# EAGLE board Mk4 Final Panel (EAGLE 9.0.1), part 13 of 18 (continued)
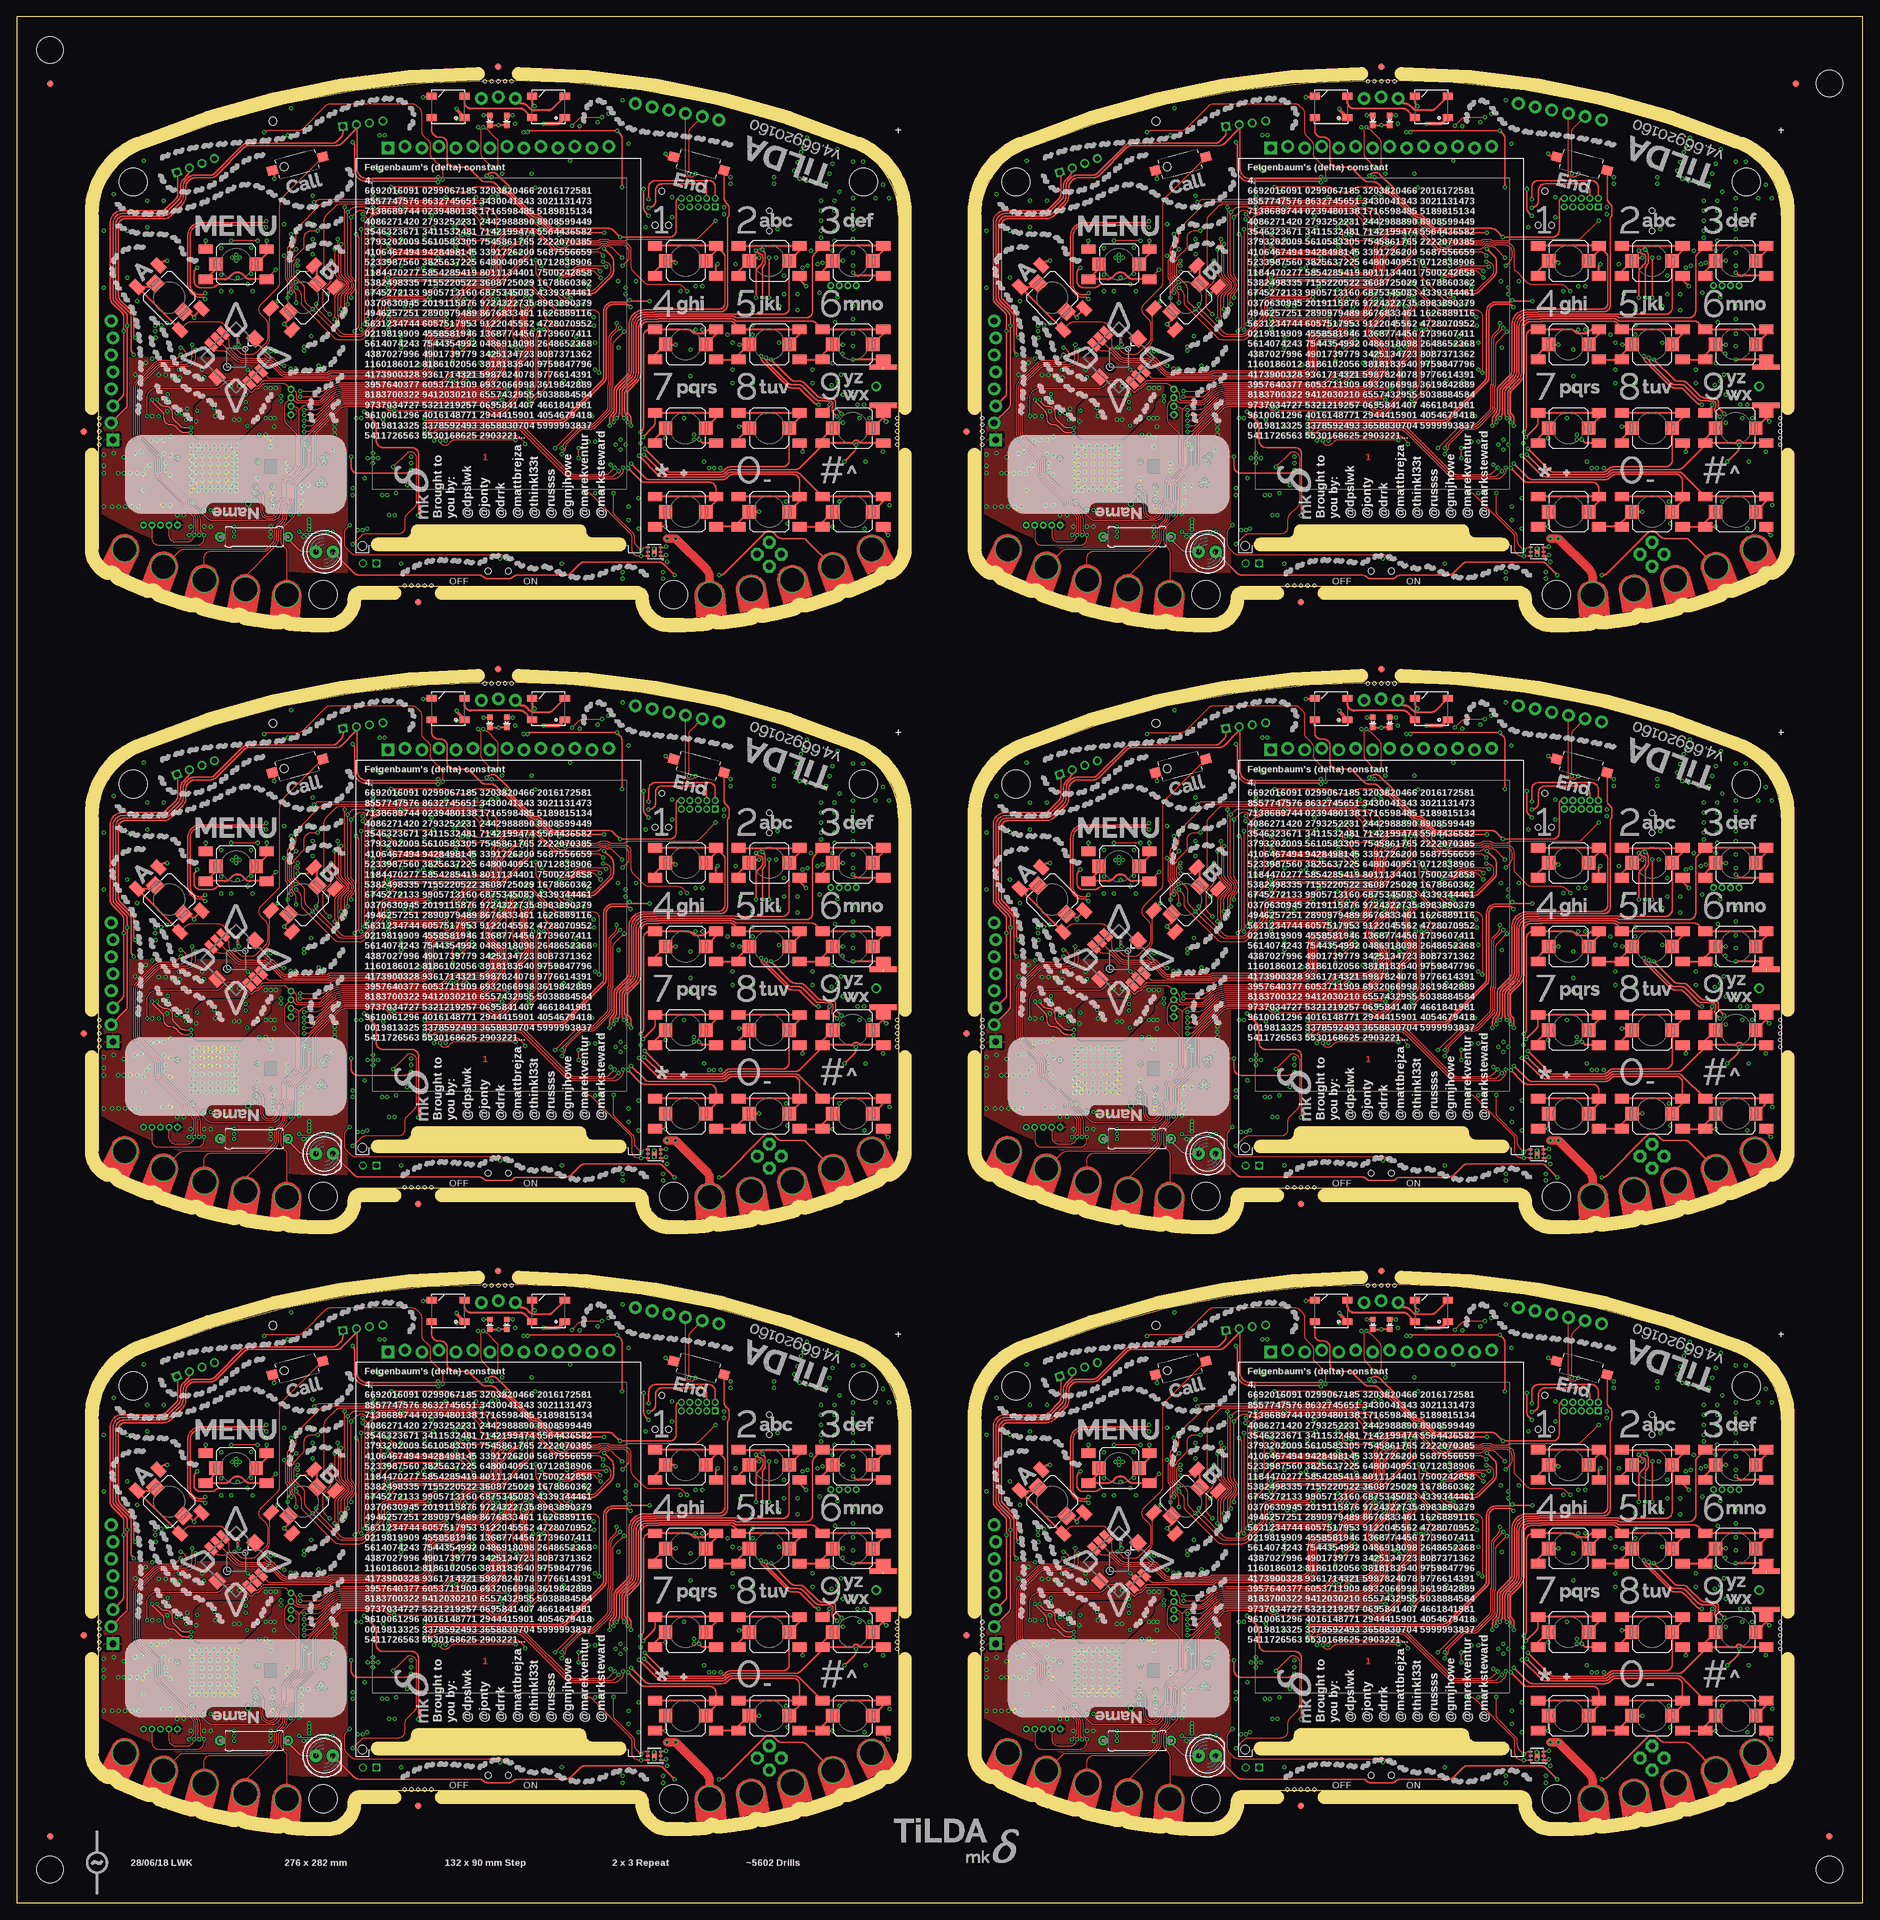
[diagram p0: board, top side]
## Tracks (layer width: path | path; a pad name or v marks a point on that pad's centre or on a via) (continued)
SDRAM_BA8  (via drill 0.3)
  Top 0.15: v49.5,239 49.48,239.03 49.48,240.07 arc-45 49.77,240.78 49.98,240.99 arc90 49.98,242.76 49.77,242.97 arc-45 49.48,243.67 49.48,252.72 v49.5,252.75 49.96,253.21 arc-45 50.66,253.5 52.09,253.5 arc-45 52.8,253.21 52.88,253.13 arc90 53.62,253.13 53.8,253.31 arc-45 54.51,253.6 56.86,253.6 57.15,253.89 arc-90 57.85,253.89 58.17,253.57 67.82,253.57 arc-45 68.17,253.43 68.31,253.29 arc45 68.66,253.15 69.5,253.15 arc-90 70.5,252.15 70.5,252.1 arc45 v70.75,251.5
  Bottom 0.15: v49.5,239 54.28,239 IC73.21 | v49.5,252.75 49.45,252.7 IC73.51 | v70.75,251.5 arc-45 70.6,251.86 IC74.77
SDRAM_BA9  (via drill 0.3)
  Top 0.15: v50,240 50,240.38 arc-45 50.15,240.74 50.29,240.88 arc90 50.29,242.87 arc-45 50,243.57 v50,252 50.73,252.73 arc-45 51.44,253.03 51.76,253.03 arc-45 52.11,252.88 52.17,252.82 arc45 52.52,252.68 53.39,252.68 arc45 53.74,252.82 53.92,253.01 arc-45 54.63,253.3 56.96,253.3 57.15,253.11 arc90 57.85,253.11 58.02,253.28 67.69,253.28 arc-45 68.05,253.13 68.25,252.93 arc45 68.45,252.84 arc-45 68.8,252.7 v70,251.5
  Bottom 0.15: IC73.50 49.9,251.9 v50,252 | IC73.20 53.91,239.9 arc-45 53.81,239.94 arc45 53.67,240 v50,240 | v70,251.5 arc45 70.2,251.98 IC74.76
SDRAM_BA10  (via drill 0.3)
  Top 0.15: v181.5,239 181.47,239.03 181.47,240.07 arc-45 181.77,240.78 181.98,240.99 arc90 181.98,242.76 181.77,242.97 arc-45 181.47,243.67 181.47,252.72 v181.5,252.75 181.96,253.21 arc-45 182.66,253.5 184.09,253.5 arc-45 184.8,253.21 184.88,253.13 arc90 185.62,253.13 185.8,253.31 arc-45 186.51,253.6 188.86,253.6 189.15,253.89 arc-90 189.85,253.89 190.17,253.57 199.82,253.57 arc-45 200.17,253.43 200.31,253.29 arc45 200.66,253.15 201.5,253.15 arc-90 202.5,252.15 202.5,252.1 arc45 v202.75,251.5
  Bottom 0.15: v181.5,239 186.28,239 IC91.21 | v181.5,252.75 181.45,252.7 IC91.51 | v202.75,251.5 arc-45 202.6,251.86 IC92.77
SDRAM_BA11  (via drill 0.3)
  Top 0.15: v182,240 182,240.38 arc-45 182.15,240.74 182.29,240.88 arc90 182.29,242.87 arc-45 182,243.57 v182,252 182.73,252.73 arc-45 183.44,253.03 183.76,253.03 arc-45 184.11,252.88 184.17,252.82 arc45 184.53,252.68 185.38,252.68 arc45 185.74,252.82 185.92,253.01 arc-45 186.63,253.3 188.96,253.3 189.15,253.11 arc90 189.85,253.11 190.02,253.28 199.69,253.28 arc-45 200.05,253.13 200.25,252.93 arc45 200.45,252.84 arc-45 200.8,252.7 v202,251.5
  Bottom 0.15: IC91.50 181.9,251.9 v182,252 | IC91.20 185.91,239.9 arc-45 185.81,239.94 arc45 185.67,240 v182,240 | v202,251.5 arc45 202.2,251.98 IC92.76
SDRAM_CKE  (via drill 0.3)
  Top 0.15: v41.75,61.5 42.21,61.04 arc-45 42.5,60.34 42.5,59.41 arc45 42.79,58.71 47.48,54.02 arc45 48.19,53.73 51.29,53.73 arc45 51.99,54.02 54.68,56.71 arc45 54.98,57.41 54.98,58.5 arc-90 55.98,59.5 64.29,59.5 arc45 65,59.79 66.87,61.66 arc-45 67.93,62.1 70.25,62.1 arc90 72.5,64.35 72.5,65.49 arc-45 72.79,66.19 74.31,67.71 arc-45 75.01,68 v75.5,68
  Bottom 0.15: IC1.104 78.73,68.4 arc45 78.59,68.34 78.53,68.28 arc-45 78.39,68.22 75.75,68.22 75.53,68 v75.5,68 | v41.75,61.5 IC2.37
SDRAM_CKE1  (via drill 0.3)
  Top 0.15: v173.75,61.5 174.21,61.04 arc-45 174.5,60.34 174.5,59.41 arc45 174.79,58.71 179.48,54.02 arc45 180.19,53.73 183.29,53.73 arc45 183.99,54.02 186.68,56.71 arc45 186.97,57.41 186.97,58.5 arc-90 187.97,59.5 196.29,59.5 arc45 197,59.79 198.87,61.66 arc-45 199.93,62.1 202.25,62.1 arc90 204.5,64.35 204.5,65.49 arc-45 204.79,66.19 206.31,67.71 arc-45 207.01,68 v207.5,68
  Bottom 0.15: IC20.104 210.73,68.4 arc45 210.59,68.34 210.53,68.28 arc-45 210.39,68.22 207.75,68.22 207.53,68 v207.5,68 | v173.75,61.5 IC19.37
SDRAM_CKE2  (via drill 0.3)
  Top 0.15: v41.75,151.5 42.21,151.04 arc-45 42.5,150.34 42.5,149.41 arc45 42.79,148.71 47.48,144.02 arc45 48.19,143.72 51.29,143.72 arc45 51.99,144.02 54.68,146.71 arc45 54.98,147.41 54.98,148.5 arc-90 55.98,149.5 64.29,149.5 arc45 65,149.79 66.87,151.66 arc-45 67.93,152.1 70.25,152.1 arc90 72.5,154.35 72.5,155.49 arc-45 72.79,156.19 74.31,157.71 arc-45 75.01,158 v75.5,158
  Bottom 0.15: IC38.104 78.73,158.4 arc45 78.59,158.34 78.53,158.28 arc-45 78.39,158.22 75.75,158.22 75.53,158 v75.5,158 | v41.75,151.5 IC37.37
SDRAM_CKE3  (via drill 0.3)
  Top 0.15: v173.75,151.5 174.21,151.04 arc-45 174.5,150.34 174.5,149.41 arc45 174.79,148.71 179.48,144.02 arc45 180.19,143.72 183.29,143.72 arc45 183.99,144.02 186.68,146.71 arc45 186.97,147.41 186.97,148.5 arc-90 187.97,149.5 196.29,149.5 arc45 197,149.79 198.87,151.66 arc-45 199.93,152.1 202.25,152.1 arc90 204.5,154.35 204.5,155.49 arc-45 204.79,156.19 206.31,157.71 arc-45 207.01,158 v207.5,158
  Bottom 0.15: IC56.104 210.73,158.4 arc45 210.59,158.34 210.53,158.28 arc-45 210.39,158.22 207.75,158.22 207.53,158 v207.5,158 | v173.75,151.5 IC55.37
SDRAM_CKE4  (via drill 0.3)
  Top 0.15: v41.75,241.5 42.21,241.04 arc-45 42.5,240.34 42.5,239.41 arc45 42.79,238.71 47.48,234.02 arc45 48.19,233.72 51.29,233.72 arc45 51.99,234.02 54.68,236.71 arc45 54.98,237.41 54.98,238.5 arc-90 55.98,239.5 64.29,239.5 arc45 65,239.79 66.87,241.66 arc-45 67.93,242.1 70.25,242.1 arc90 72.5,244.35 72.5,245.49 arc-45 72.79,246.19 74.31,247.71 arc-45 75.01,248 v75.5,248
  Bottom 0.15: IC74.104 78.73,248.4 arc45 78.59,248.34 78.53,248.28 arc-45 78.39,248.22 75.75,248.22 75.53,248 v75.5,248 | v41.75,241.5 IC73.37
SDRAM_CKE5  (via drill 0.3)
  Top 0.15: v173.75,241.5 174.21,241.04 arc-45 174.5,240.34 174.5,239.41 arc45 174.79,238.71 179.48,234.02 arc45 180.19,233.72 183.29,233.72 arc45 183.99,234.02 186.68,236.71 arc45 186.97,237.41 186.97,238.5 arc-90 187.97,239.5 196.29,239.5 arc45 197,239.79 198.87,241.66 arc-45 199.93,242.1 202.25,242.1 arc90 204.5,244.35 204.5,245.49 arc-45 204.79,246.19 206.31,247.71 arc-45 207.01,248 v207.5,248
  Bottom 0.15: IC92.104 210.73,248.4 arc45 210.59,248.34 210.53,248.28 arc-45 210.39,248.22 207.75,248.22 207.53,248 v207.5,248 | v173.75,241.5 IC91.37
SDRAM_CLK  (via drill 0.3)
  Top 0.15: v45,70 44,70 arc90 43,69 43,67.5 41.52,66.02 arc45 41.48,65.91 arc-45 41.33,65.55 41.25,65.47 arc45 41.1,65.12 41.1,63.28 arc45 41.17,63.1 41.4,62.87 arc-45 41.48,62.7 41.48,62.52 v41.7,62.3 | v53.23,70.5 v62.25,70.5
  Bottom 0.15: v53.23,70.5 52.17,70.5 arc-45 51.86,70.63 arc45 51.51,70.78 46.19,70.78 arc45 45.48,70.48 v45,70 | IC1.62 62.35,70.4 v62.25,70.5 | IC2.38 v41.7,62.3
SDRAM_CLK1  (via drill 0.3)
  Top 0.15: v177,70 176,70 arc90 175,69 175,67.5 173.52,66.02 arc45 173.47,65.91 arc-45 173.33,65.55 173.25,65.47 arc45 173.1,65.12 173.1,63.28 arc45 173.17,63.1 173.4,62.87 arc-45 173.47,62.7 173.47,62.52 v173.7,62.3 | v185.23,70.5 v194.25,70.5
  Bottom 0.15: v185.23,70.5 184.17,70.5 arc-45 183.86,70.63 arc45 183.51,70.78 178.19,70.78 arc45 177.48,70.48 v177,70 | IC20.62 194.35,70.4 v194.25,70.5 | IC19.38 v173.7,62.3
SDRAM_CLK2  (via drill 0.3)
  Top 0.15: v45,160 44,160 arc90 43,159 43,157.5 41.52,156.02 arc45 41.48,155.91 arc-45 41.33,155.55 41.25,155.47 arc45 41.1,155.12 41.1,153.28 arc45 41.17,153.1 41.4,152.87 arc-45 41.48,152.7 41.48,152.53 v41.7,152.3 | v53.23,160.5 v62.25,160.5
  Bottom 0.15: v53.23,160.5 52.17,160.5 arc-45 51.86,160.63 arc45 51.51,160.78 46.19,160.78 arc45 45.48,160.48 v45,160 | IC38.62 62.35,160.4 v62.25,160.5 | IC37.38 v41.7,152.3
SDRAM_CLK3  (via drill 0.3)
  Top 0.15: v177,160 176,160 arc90 175,159 175,157.5 173.52,156.02 arc45 173.47,155.91 arc-45 173.33,155.55 173.25,155.47 arc45 173.1,155.12 173.1,153.28 arc45 173.17,153.1 173.4,152.87 arc-45 173.47,152.7 173.47,152.53 v173.7,152.3 | v185.23,160.5 v194.25,160.5
  Bottom 0.15: v185.23,160.5 184.17,160.5 arc-45 183.86,160.63 arc45 183.51,160.78 178.19,160.78 arc45 177.48,160.48 v177,160 | IC56.62 194.35,160.4 v194.25,160.5 | IC55.38 v173.7,152.3
SDRAM_CLK4  (via drill 0.3)
  Top 0.15: v45,250 44,250 arc90 43,249 43,247.5 41.52,246.02 arc45 41.48,245.91 arc-45 41.33,245.55 41.25,245.47 arc45 41.1,245.12 41.1,243.28 arc45 41.17,243.1 41.4,242.87 arc-45 41.48,242.7 41.48,242.53 v41.7,242.3 | v53.23,250.5 v62.25,250.5
  Bottom 0.15: v53.23,250.5 52.17,250.5 arc-45 51.86,250.63 arc45 51.51,250.78 46.19,250.78 arc45 45.48,250.48 v45,250 | IC74.62 62.35,250.4 v62.25,250.5 | IC73.38 v41.7,242.3
SDRAM_CLK5  (via drill 0.3)
  Top 0.15: v177,250 176,250 arc90 175,249 175,247.5 173.52,246.02 arc45 173.47,245.91 arc-45 173.33,245.55 173.25,245.47 arc45 173.1,245.12 173.1,243.28 arc45 173.17,243.1 173.4,242.87 arc-45 173.47,242.7 173.47,242.53 v173.7,242.3 | v185.23,250.5 v194.25,250.5
  Bottom 0.15: v185.23,250.5 184.17,250.5 arc-45 183.86,250.63 arc45 183.51,250.78 178.19,250.78 arc45 177.48,250.48 v177,250 | IC92.62 194.35,250.4 v194.25,250.5 | IC91.38 v173.7,242.3
SDRAM_D1  (via drill 0.3)
  Top 0.15: v202,74.5 200.94,74.5 arc-45 200.88,74.47 190.54,74.47 190.38,74.63 arc90 188.62,74.63 188.61,74.62 177.29,74.62 arc45 176.58,74.33 v176.5,74.25
  Bottom 0.15: IC19.53 176.45,74.3 v176.5,74.25 | IC20.78 203,73.53 arc90 202.8,73.72 202.68,73.72 arc-90 202.47,73.92 202.47,73.94 arc45 202.42,74.08 v202,74.5
SDRAM_D2  (via drill 0.3)
  Top 0.15: v70,164.5 68.94,164.5 arc-45 68.88,164.47 58.54,164.47 58.38,164.63 arc90 56.62,164.63 56.61,164.62 45.29,164.62 arc45 44.58,164.33 v44.5,164.25
  Bottom 0.15: IC37.53 44.45,164.3 v44.5,164.25 | IC38.78 71,163.53 arc90 70.8,163.72 70.67,163.72 arc-90 70.47,163.93 70.47,163.94 arc45 70.42,164.08 v70,164.5
SDRAM_D3  (via drill 0.3)
  Top 0.15: v202,164.5 200.94,164.5 arc-45 200.88,164.47 190.54,164.47 190.38,164.63 arc90 188.62,164.63 188.61,164.62 177.29,164.62 arc45 176.58,164.33 v176.5,164.25
  Bottom 0.15: IC55.53 176.45,164.3 v176.5,164.25 | IC56.78 203,163.53 arc90 202.8,163.72 202.68,163.72 arc-90 202.47,163.93 202.47,163.94 arc45 202.42,164.08 v202,164.5
SDRAM_D4  (via drill 0.3)
  Top 0.15: v70,254.5 68.94,254.5 arc-45 68.88,254.47 58.54,254.47 58.38,254.63 arc90 56.62,254.63 56.61,254.62 45.29,254.62 arc45 44.58,254.33 v44.5,254.25
  Bottom 0.15: IC73.53 44.45,254.3 v44.5,254.25 | IC74.78 71,253.53 arc90 70.8,253.72 70.67,253.72 arc-90 70.47,253.93 70.47,253.94 arc45 70.42,254.08 v70,254.5
SDRAM_D5  (via drill 0.3)
  Top 0.15: v202,254.5 200.94,254.5 arc-45 200.88,254.47 190.54,254.47 190.38,254.63 arc90 188.62,254.63 188.61,254.62 177.29,254.62 arc45 176.58,254.33 v176.5,254.25
  Bottom 0.15: IC91.53 176.45,254.3 v176.5,254.25 | IC92.78 203,253.53 arc90 202.8,253.72 202.68,253.72 arc-90 202.47,253.93 202.47,253.94 arc45 202.42,254.08 v202,254.5
SDRAM_D15  (via drill 0.3)
  Top 0.15: v70,74.5 68.94,74.5 arc-45 68.88,74.47 58.54,74.47 58.38,74.63 arc90 56.62,74.63 56.61,74.62 45.29,74.62 arc45 44.58,74.33 v44.5,74.25
  Bottom 0.15: IC2.53 44.45,74.3 v44.5,74.25 | IC1.78 71,73.53 arc90 70.8,73.72 70.67,73.72 arc-90 70.47,73.92 70.47,73.94 arc45 70.42,74.08 v70,74.5
SDRAM_DQMH  (via drill 0.3)
  Top 0.15: v45.75,63.75 arc45 46,64.35 46,71.59 arc-45 46.29,72.29 47.73,73.73 arc-45 48.44,74.03 56.86,74.03 56.97,74.14 arc-90 58.03,74.14 58.29,73.88 67.94,73.88 arc-45 68.29,73.73 68.43,73.59 arc45 68.78,73.44 70.14,73.44 arc-45 70.85,73.15 71.46,72.54 arc-45 71.75,71.84 v71.75,70
  Bottom 0.15: IC2.39 43.19,63.1 arc45 43.89,63.39 43.96,63.46 arc-45 44.66,63.75 v45.75,63.75 | IC1.82 72.6,71.26 arc-45 72.31,70.56 v71.75,70
SDRAM_DQMH1  (via drill 0.3)
  Top 0.15: v177.75,63.75 arc45 178,64.35 178,71.59 arc-45 178.29,72.29 179.73,73.73 arc-45 180.44,74.03 188.86,74.03 188.97,74.14 arc-90 190.03,74.14 190.29,73.88 199.94,73.88 arc-45 200.29,73.73 200.43,73.59 arc45 200.78,73.44 202.14,73.44 arc-45 202.85,73.15 203.46,72.54 arc-45 203.75,71.84 v203.75,70
  Bottom 0.15: IC19.39 175.19,63.1 arc45 175.89,63.39 175.96,63.46 arc-45 176.66,63.75 v177.75,63.75 | IC20.82 204.6,71.26 arc-45 204.31,70.56 v203.75,70
SDRAM_DQMH2  (via drill 0.3)
  Top 0.15: v45.75,153.75 arc45 46,154.35 46,161.59 arc-45 46.29,162.29 47.73,163.73 arc-45 48.44,164.03 56.86,164.03 56.97,164.14 arc-90 58.03,164.14 58.29,163.88 67.94,163.88 arc-45 68.29,163.73 68.43,163.59 arc45 68.78,163.44 70.14,163.44 arc-45 70.85,163.15 71.46,162.54 arc-45 71.75,161.84 v71.75,160
  Bottom 0.15: IC37.39 43.19,153.1 arc45 43.89,153.39 43.96,153.46 arc-45 44.66,153.75 v45.75,153.75 | IC38.82 72.6,161.26 arc-45 72.31,160.56 v71.75,160
SDRAM_DQMH3  (via drill 0.3)
  Top 0.15: v177.75,153.75 arc45 178,154.35 178,161.59 arc-45 178.29,162.29 179.73,163.73 arc-45 180.44,164.03 188.86,164.03 188.97,164.14 arc-90 190.03,164.14 190.29,163.88 199.94,163.88 arc-45 200.29,163.73 200.43,163.59 arc45 200.78,163.44 202.14,163.44 arc-45 202.85,163.15 203.46,162.54 arc-45 203.75,161.84 v203.75,160
  Bottom 0.15: IC55.39 175.19,153.1 arc45 175.89,153.39 175.96,153.46 arc-45 176.66,153.75 v177.75,153.75 | IC56.82 204.6,161.26 arc-45 204.31,160.56 v203.75,160
SDRAM_DQMH4  (via drill 0.3)
  Top 0.15: v45.75,243.75 arc45 46,244.35 46,251.59 arc-45 46.29,252.29 47.73,253.73 arc-45 48.44,254.03 56.86,254.03 56.97,254.14 arc-90 58.03,254.14 58.29,253.88 67.94,253.88 arc-45 68.29,253.73 68.43,253.59 arc45 68.78,253.44 70.14,253.44 arc-45 70.85,253.15 71.46,252.54 arc-45 71.75,251.84 v71.75,250
  Bottom 0.15: IC73.39 43.19,243.1 arc45 43.89,243.39 43.96,243.46 arc-45 44.66,243.75 v45.75,243.75 | IC74.82 72.6,251.26 arc-45 72.31,250.56 v71.75,250
SDRAM_DQMH5  (via drill 0.3)
  Top 0.15: v177.75,243.75 arc45 178,244.35 178,251.59 arc-45 178.29,252.29 179.73,253.73 arc-45 180.44,254.03 188.86,254.03 188.97,254.14 arc-90 190.03,254.14 190.29,253.88 199.94,253.88 arc-45 200.29,253.73 200.43,253.59 arc45 200.78,253.44 202.14,253.44 arc-45 202.85,253.15 203.46,252.54 arc-45 203.75,251.84 v203.75,250
  Bottom 0.15: IC91.39 175.19,243.1 arc45 175.89,243.39 175.96,243.46 arc-45 176.66,243.75 v177.75,243.75 | IC92.82 204.6,251.26 arc-45 204.31,250.56 v203.75,250
SDRAM_DQML  (via drill 0.3)
  Top 0.15: v53.25,63.75 53.5,63.75 arc90 54.5,64.75 54.5,68.7 arc90 53.5,69.7 arc-45 52.99,69.91 52.92,69.98 arc-45 52.7,70.51 52.7,71.59 arc-45 52.92,72.12 arc-45 53.54,72.38 arc45 53.84,72.5 54.05,72.71 arc-45 54.75,73 56.83,73 56.97,72.86 arc90 58.03,72.86 58.14,72.97 67.57,72.97 arc-45 67.92,72.83 68.96,71.79 arc-45 69.25,71.09 69.25,71 arc90 70.25,70 v71,70
  Bottom 0.15: IC2.15 53.61,63.9 arc45 v53.25,63.75 | IC1.81 72.2,71.61 arc-45 71.91,70.91 v71,70
SDRAM_DQML1  (via drill 0.3)
  Top 0.15: v185.25,63.75 185.5,63.75 arc90 186.5,64.75 186.5,68.7 arc90 185.5,69.7 arc-45 184.99,69.91 184.92,69.98 arc-45 184.7,70.51 184.7,71.59 arc-45 184.92,72.12 arc-45 185.54,72.38 arc45 185.84,72.5 186.05,72.71 arc-45 186.75,73 188.83,73 188.97,72.86 arc90 190.03,72.86 190.14,72.97 199.57,72.97 arc-45 199.92,72.83 200.96,71.79 arc-45 201.25,71.09 201.25,71 arc90 202.25,70 v203,70
  Bottom 0.15: IC19.15 185.61,63.9 arc45 v185.25,63.75 | IC20.81 204.2,71.61 arc-45 203.91,70.91 v203,70
SDRAM_DQML2  (via drill 0.3)
  Top 0.15: v53.25,153.75 53.5,153.75 arc90 54.5,154.75 54.5,158.7 arc90 53.5,159.7 arc-45 52.99,159.91 52.92,159.98 arc-45 52.7,160.51 52.7,161.59 arc-45 52.92,162.12 arc-45 53.54,162.38 arc45 53.84,162.5 54.05,162.71 arc-45 54.75,163 56.83,163 56.97,162.86 arc90 58.03,162.86 58.14,162.97 67.57,162.97 arc-45 67.92,162.83 68.96,161.79 arc-45 69.25,161.09 69.25,161 arc90 70.25,160 v71,160
  Bottom 0.15: IC37.15 53.61,153.9 arc45 v53.25,153.75 | IC38.81 72.2,161.61 arc-45 71.91,160.91 v71,160
SDRAM_DQML3  (via drill 0.3)
  Top 0.15: v185.25,153.75 185.5,153.75 arc90 186.5,154.75 186.5,158.7 arc90 185.5,159.7 arc-45 184.99,159.91 184.92,159.98 arc-45 184.7,160.51 184.7,161.59 arc-45 184.92,162.12 arc-45 185.54,162.38 arc45 185.84,162.5 186.05,162.71 arc-45 186.75,163 188.83,163 188.97,162.86 arc90 190.03,162.86 190.14,162.97 199.57,162.97 arc-45 199.92,162.83 200.96,161.79 arc-45 201.25,161.09 201.25,161 arc90 202.25,160 v203,160
  Bottom 0.15: IC55.15 185.61,153.9 arc45 v185.25,153.75 | IC56.81 204.2,161.61 arc-45 203.91,160.91 v203,160
SDRAM_DQML4  (via drill 0.3)
  Top 0.15: v53.25,243.75 53.5,243.75 arc90 54.5,244.75 54.5,248.7 arc90 53.5,249.7 arc-45 52.99,249.91 52.92,249.98 arc-45 52.7,250.51 52.7,251.59 arc-45 52.92,252.12 arc-45 53.54,252.38 arc45 53.84,252.5 54.05,252.71 arc-45 54.75,253 56.83,253 56.97,252.86 arc90 58.03,252.86 58.14,252.97 67.57,252.97 arc-45 67.92,252.83 68.96,251.79 arc-45 69.25,251.09 69.25,251 arc90 70.25,250 v71,250
  Bottom 0.15: IC73.15 53.61,243.9 arc45 v53.25,243.75 | IC74.81 72.2,251.61 arc-45 71.91,250.91 v71,250
SDRAM_DQML5  (via drill 0.3)
  Top 0.15: v185.25,243.75 185.5,243.75 arc90 186.5,244.75 186.5,248.7 arc90 185.5,249.7 arc-45 184.99,249.91 184.92,249.98 arc-45 184.7,250.51 184.7,251.59 arc-45 184.92,252.12 arc-45 185.54,252.38 arc45 185.84,252.5 186.05,252.71 arc-45 186.75,253 188.83,253 188.97,252.86 arc90 190.03,252.86 190.14,252.97 199.57,252.97 arc-45 199.92,252.83 200.96,251.79 arc-45 201.25,251.09 201.25,251 arc90 202.25,250 v203,250
  Bottom 0.15: IC91.15 185.61,243.9 arc45 v185.25,243.75 | IC92.81 204.2,251.61 arc-45 203.91,250.91 v203,250
SIM_CLK  (via drill 0.3)
  Top 0.2: v112,51 112,50.91 arc45 112.29,50.21 115.21,47.29 arc45 115.91,47 116.84,47 arc-45 117.54,46.71 119.36,44.89 arc45 120.06,44.6 120.9,44.6 120.95,44.55 121.55,44.55 arc-90 122.05,44.05 122.05,43.8 arc-45 121.99,43.66 121.96,43.62 arc45 121.9,43.48 121.9,43.16 arc45 122.05,42.8 v122.65,42.2 | v111.5,67.15 111.5,67.12 111.75,66.87 arc-45 111.9,66.52 111.9,65.2 arc-45 111.79,64.94 arc45 111.5,64.24 v111.5,60
  3V3@2 0.2: v122.65,42.2 122.75,42.1 124,42.1 124.75,41.35 124.75,37.7 v126.93,35.52
  Bottom 0.2: J1.C3 v126.93,35.52 | v111.5,60 arc45 111.25,59.4 111.25,53.34 arc-45 111.03,52.81 110.67,52.45 arc45 110.45,51.92 110.45,51.48 arc45 110.6,51.13 110.9,50.83 arc90 111.6,50.83 111.78,51 v112,51 | R27.2 111.5,65.72 111.55,65.77 111.55,66.23 111.5,66.28 v111.5,67.15 | IC10.2 122.45,42.4 v122.65,42.2
SIM_CLK1  (via drill 0.3)
  Top 0.2: v244,51 244,50.91 arc45 244.29,50.21 247.21,47.29 arc45 247.91,47 248.84,47 arc-45 249.54,46.71 251.36,44.89 arc45 252.06,44.6 252.9,44.6 252.95,44.55 253.55,44.55 arc-90 254.05,44.05 254.05,43.8 arc-45 253.99,43.66 253.96,43.62 arc45 253.9,43.48 253.9,43.16 arc45 254.05,42.8 v254.65,42.2 | v243.5,67.15 243.5,67.12 243.75,66.87 arc-45 243.9,66.52 243.9,65.2 arc-45 243.79,64.94 arc45 243.5,64.24 v243.5,60
  3V3@2 0.2: v254.65,42.2 254.75,42.1 256,42.1 256.75,41.35 256.75,37.7 v258.93,35.52
  Bottom 0.2: J14.C3 v258.93,35.52 | v243.5,60 arc45 243.25,59.4 243.25,53.34 arc-45 243.03,52.81 242.67,52.45 arc45 242.45,51.92 242.45,51.48 arc45 242.6,51.13 242.9,50.83 arc90 243.6,50.83 243.78,51 v244,51 | R109.2 243.5,65.72 243.55,65.77 243.55,66.23 243.5,66.28 v243.5,67.15 | IC25.2 254.45,42.4 v254.65,42.2
SIM_CLK2  (via drill 0.3)
  Top 0.2: v112,141 112,140.91 arc45 112.29,140.21 115.21,137.29 arc45 115.91,137 116.84,137 arc-45 117.54,136.71 119.36,134.89 arc45 120.06,134.6 120.9,134.6 120.95,134.55 121.55,134.55 arc-90 122.05,134.05 122.05,133.8 arc-45 121.99,133.66 121.96,133.62 arc45 121.9,133.48 121.9,133.16 arc45 122.05,132.8 v122.65,132.2 | v111.5,157.15 111.5,157.12 111.75,156.87 arc-45 111.9,156.52 111.9,155.2 arc-45 111.79,154.94 arc45 111.5,154.24 v111.5,150
  3V3@2 0.2: v122.65,132.2 122.75,132.1 124,132.1 124.75,131.35 124.75,127.7 v126.93,125.52
  Bottom 0.2: J24.C3 v126.93,125.52 | v111.5,150 arc45 111.25,149.4 111.25,143.34 arc-45 111.03,142.81 110.67,142.45 arc45 110.45,141.92 110.45,141.48 arc45 110.6,141.13 110.9,140.83 arc90 111.6,140.83 111.78,141 v112,141 | R187.2 111.5,155.72 111.55,155.77 111.55,156.23 111.5,156.28 v111.5,157.15 | IC43.2 122.45,132.4 v122.65,132.2
SIM_CLK3  (via drill 0.3)
  Top 0.2: v244,141 244,140.91 arc45 244.29,140.21 247.21,137.29 arc45 247.91,137 248.84,137 arc-45 249.54,136.71 251.36,134.89 arc45 252.06,134.6 252.9,134.6 252.95,134.55 253.55,134.55 arc-90 254.05,134.05 254.05,133.8 arc-45 253.99,133.66 253.96,133.62 arc45 253.9,133.48 253.9,133.16 arc45 254.05,132.8 v254.65,132.2 | v243.5,157.15 243.5,157.12 243.75,156.87 arc-45 243.9,156.52 243.9,155.2 arc-45 243.79,154.94 arc45 243.5,154.24 v243.5,150
  3V3@2 0.2: v254.65,132.2 254.75,132.1 256,132.1 256.75,131.35 256.75,127.7 v258.93,125.52
  Bottom 0.2: J34.C3 v258.93,125.52 | v243.5,150 arc45 243.25,149.4 243.25,143.34 arc-45 243.03,142.81 242.67,142.45 arc45 242.45,141.92 242.45,141.48 arc45 242.6,141.13 242.9,140.83 arc90 243.6,140.83 243.78,141 v244,141 | R265.2 243.5,155.72 243.55,155.77 243.55,156.23 243.5,156.28 v243.5,157.15 | IC61.2 254.45,132.4 v254.65,132.2
SIM_CLK4  (via drill 0.3)
  Top 0.2: v112,231 112,230.91 arc45 112.29,230.21 115.21,227.29 arc45 115.91,227 116.84,227 arc-45 117.54,226.71 119.36,224.89 arc45 120.06,224.6 120.9,224.6 120.95,224.55 121.55,224.55 arc-90 122.05,224.05 122.05,223.8 arc-45 121.99,223.66 121.96,223.62 arc45 121.9,223.48 121.9,223.16 arc45 122.05,222.8 v122.65,222.2 | v111.5,247.15 111.5,247.12 111.75,246.87 arc-45 111.9,246.52 111.9,245.2 arc-45 111.79,244.94 arc45 111.5,244.24 v111.5,240
  3V3@2 0.2: v122.65,222.2 122.75,222.1 124,222.1 124.75,221.35 124.75,217.7 v126.93,215.52
  Bottom 0.2: J44.C3 v126.93,215.52 | v111.5,240 arc45 111.25,239.4 111.25,233.34 arc-45 111.03,232.81 110.67,232.45 arc45 110.45,231.92 110.45,231.48 arc45 110.6,231.13 110.9,230.83 arc90 111.6,230.83 111.78,231 v112,231 | R343.2 111.5,245.72 111.55,245.77 111.55,246.23 111.5,246.28 v111.5,247.15 | IC79.2 122.45,222.4 v122.65,222.2
SIM_CLK5  (via drill 0.3)
  Top 0.2: v244,231 244,230.91 arc45 244.29,230.21 247.21,227.29 arc45 247.91,227 248.84,227 arc-45 249.54,226.71 251.36,224.89 arc45 252.06,224.6 252.9,224.6 252.95,224.55 253.55,224.55 arc-90 254.05,224.05 254.05,223.8 arc-45 253.99,223.66 253.96,223.62 arc45 253.9,223.48 253.9,223.16 arc45 254.05,222.8 v254.65,222.2 | v243.5,247.15 243.5,247.12 243.75,246.87 arc-45 243.9,246.52 243.9,245.2 arc-45 243.79,244.94 arc45 243.5,244.24 v243.5,240
  3V3@2 0.2: v254.65,222.2 254.75,222.1 256,222.1 256.75,221.35 256.75,217.7 v258.93,215.52
  Bottom 0.2: J54.C3 v258.93,215.52 | v243.5,240 arc45 243.25,239.4 243.25,233.34 arc-45 243.03,232.81 242.67,232.45 arc45 242.45,231.92 242.45,231.48 arc45 242.6,231.13 242.9,230.83 arc90 243.6,230.83 243.78,231 v244,231 | R421.2 243.5,245.72 243.55,245.77 243.55,246.23 243.5,246.28 v243.5,247.15 | IC97.2 254.45,222.4 v254.65,222.2
SIM_CLK_R
  Bottom 0.2: IC5.16 111.4,63.9 R27.1 C49.2
SIM_CLK_R1
  Bottom 0.2: IC21.16 243.4,63.9 R109.1 C156.2
SIM_CLK_R2
  Bottom 0.2: IC39.16 111.4,153.9 R187.1 C264.2
SIM_CLK_R3
  Bottom 0.2: IC57.16 243.4,153.9 R265.1 C372.2
SIM_CLK_R4
  Bottom 0.2: IC75.16 111.4,243.9 R343.1 C480.2
SIM_CLK_R5
  Bottom 0.2: IC93.16 243.4,243.9 R421.1 C588.2
SIM_CTS
  Bottom 0.2: R34.1 98.5,50.25 TP4.TP
SIM_CTS1
  Bottom 0.2: R117.1 230.5,50.25 TP23.TP
SIM_CTS2
  Bottom 0.2: R195.1 98.5,140.25 TP42.TP
SIM_CTS3
  Bottom 0.2: R273.1 230.5,140.25 TP61.TP
SIM_CTS4
  Bottom 0.2: R351.1 98.5,230.25 TP80.TP
SIM_CTS5
  Bottom 0.2: R429.1 230.5,230.25 TP99.TP
SIM_CTS_R
  Bottom 0.15: IC5.4 R34.2
SIM_CTS_R1
  Bottom 0.15: IC21.4 R117.2
SIM_CTS_R2
  Bottom 0.15: IC39.4 R195.2
SIM_CTS_R3
  Bottom 0.15: IC57.4 R273.2
SIM_CTS_R4
  Bottom 0.15: IC75.4 R351.2
SIM_CTS_R5
  Bottom 0.15: IC93.4 R429.2
SIM_D_N
  Bottom 0.25: IC5.26 121.35,54.65 121.7,55 122.1,55 arc90 123.8,56.7 123.8,61.37 arc-90 JP9.2
SIM_D_N1
  Bottom 0.25: IC21.26 253.35,54.65 253.7,55 254.1,55 arc90 255.8,56.7 255.8,61.37 arc-90 JP14.2
SIM_D_N2
  Bottom 0.25: IC39.26 121.35,144.65 121.7,145 122.1,145 arc90 123.8,146.7 123.8,151.37 arc-90 JP23.2
SIM_D_N3
  Bottom 0.25: IC57.26 253.35,144.65 253.7,145 254.1,145 arc90 255.8,146.7 255.8,151.37 arc-90 JP32.2
SIM_D_N4
  Bottom 0.25: IC75.26 121.35,234.65 121.7,235 122.1,235 arc90 123.8,236.7 123.8,241.37 arc-90 JP41.2
SIM_D_N5
  Bottom 0.25: IC93.26 253.35,234.65 253.7,235 254.1,235 arc90 255.8,236.7 255.8,241.37 arc-90 JP50.2
SIM_D_P
  Bottom 0.25: IC5.25 121.35,55.75 121.7,55.4 122.1,55.4 arc90 123.4,56.7 123.4,61.36 arc90 JP9.3
SIM_D_P1
  Bottom 0.25: IC21.25 253.35,55.75 253.7,55.4 254.1,55.4 arc90 255.4,56.7 255.4,61.36 arc90 JP14.3
SIM_D_P2
  Bottom 0.25: IC39.25 121.35,145.75 121.7,145.4 122.1,145.4 arc90 123.4,146.7 123.4,151.36 arc90 JP23.3
SIM_D_P3
  Bottom 0.25: IC57.25 253.35,145.75 253.7,145.4 254.1,145.4 arc90 255.4,146.7 255.4,151.36 arc90 JP32.3
SIM_D_P4
  Bottom 0.25: IC75.25 121.35,235.75 121.7,235.4 122.1,235.4 arc90 123.4,236.7 123.4,241.36 arc90 JP41.3
SIM_D_P5
  Bottom 0.25: IC93.25 253.35,235.75 253.7,235.4 254.1,235.4 arc90 255.4,236.7 255.4,241.36 arc90 JP50.3
SIM_DATA  (via drill 0.3)
  Top 0.2: v123.75,35.5 125.21,36.96 arc45 125.5,37.66 v125.5,38 | v110.5,60 110.5,63.73 arc-45 110.79,64.44 111.26,64.9 arc45 111.55,65.61 111.55,66.05 arc90 111.05,66.55 110.95,66.55 v110.5,67 | v112.75,50.75 115.71,47.79 arc45 116.41,47.5 117.09,47.5 arc-45 117.79,47.21 119.71,45.29 arc45 120.41,45 121.04,45 arc-45 121.14,44.96 arc45 121.28,44.9 121.9,44.9 arc-90 122.4,44.4 122.4,43.76 arc45 122.55,43.4 v123.3,42.65
  3V3@2 0.2: v125.5,38 125.25,38.25 125.25,41.45 124.05,42.65 v123.3,42.65